# KiCad board pq-register.kicad_pcb (continued)
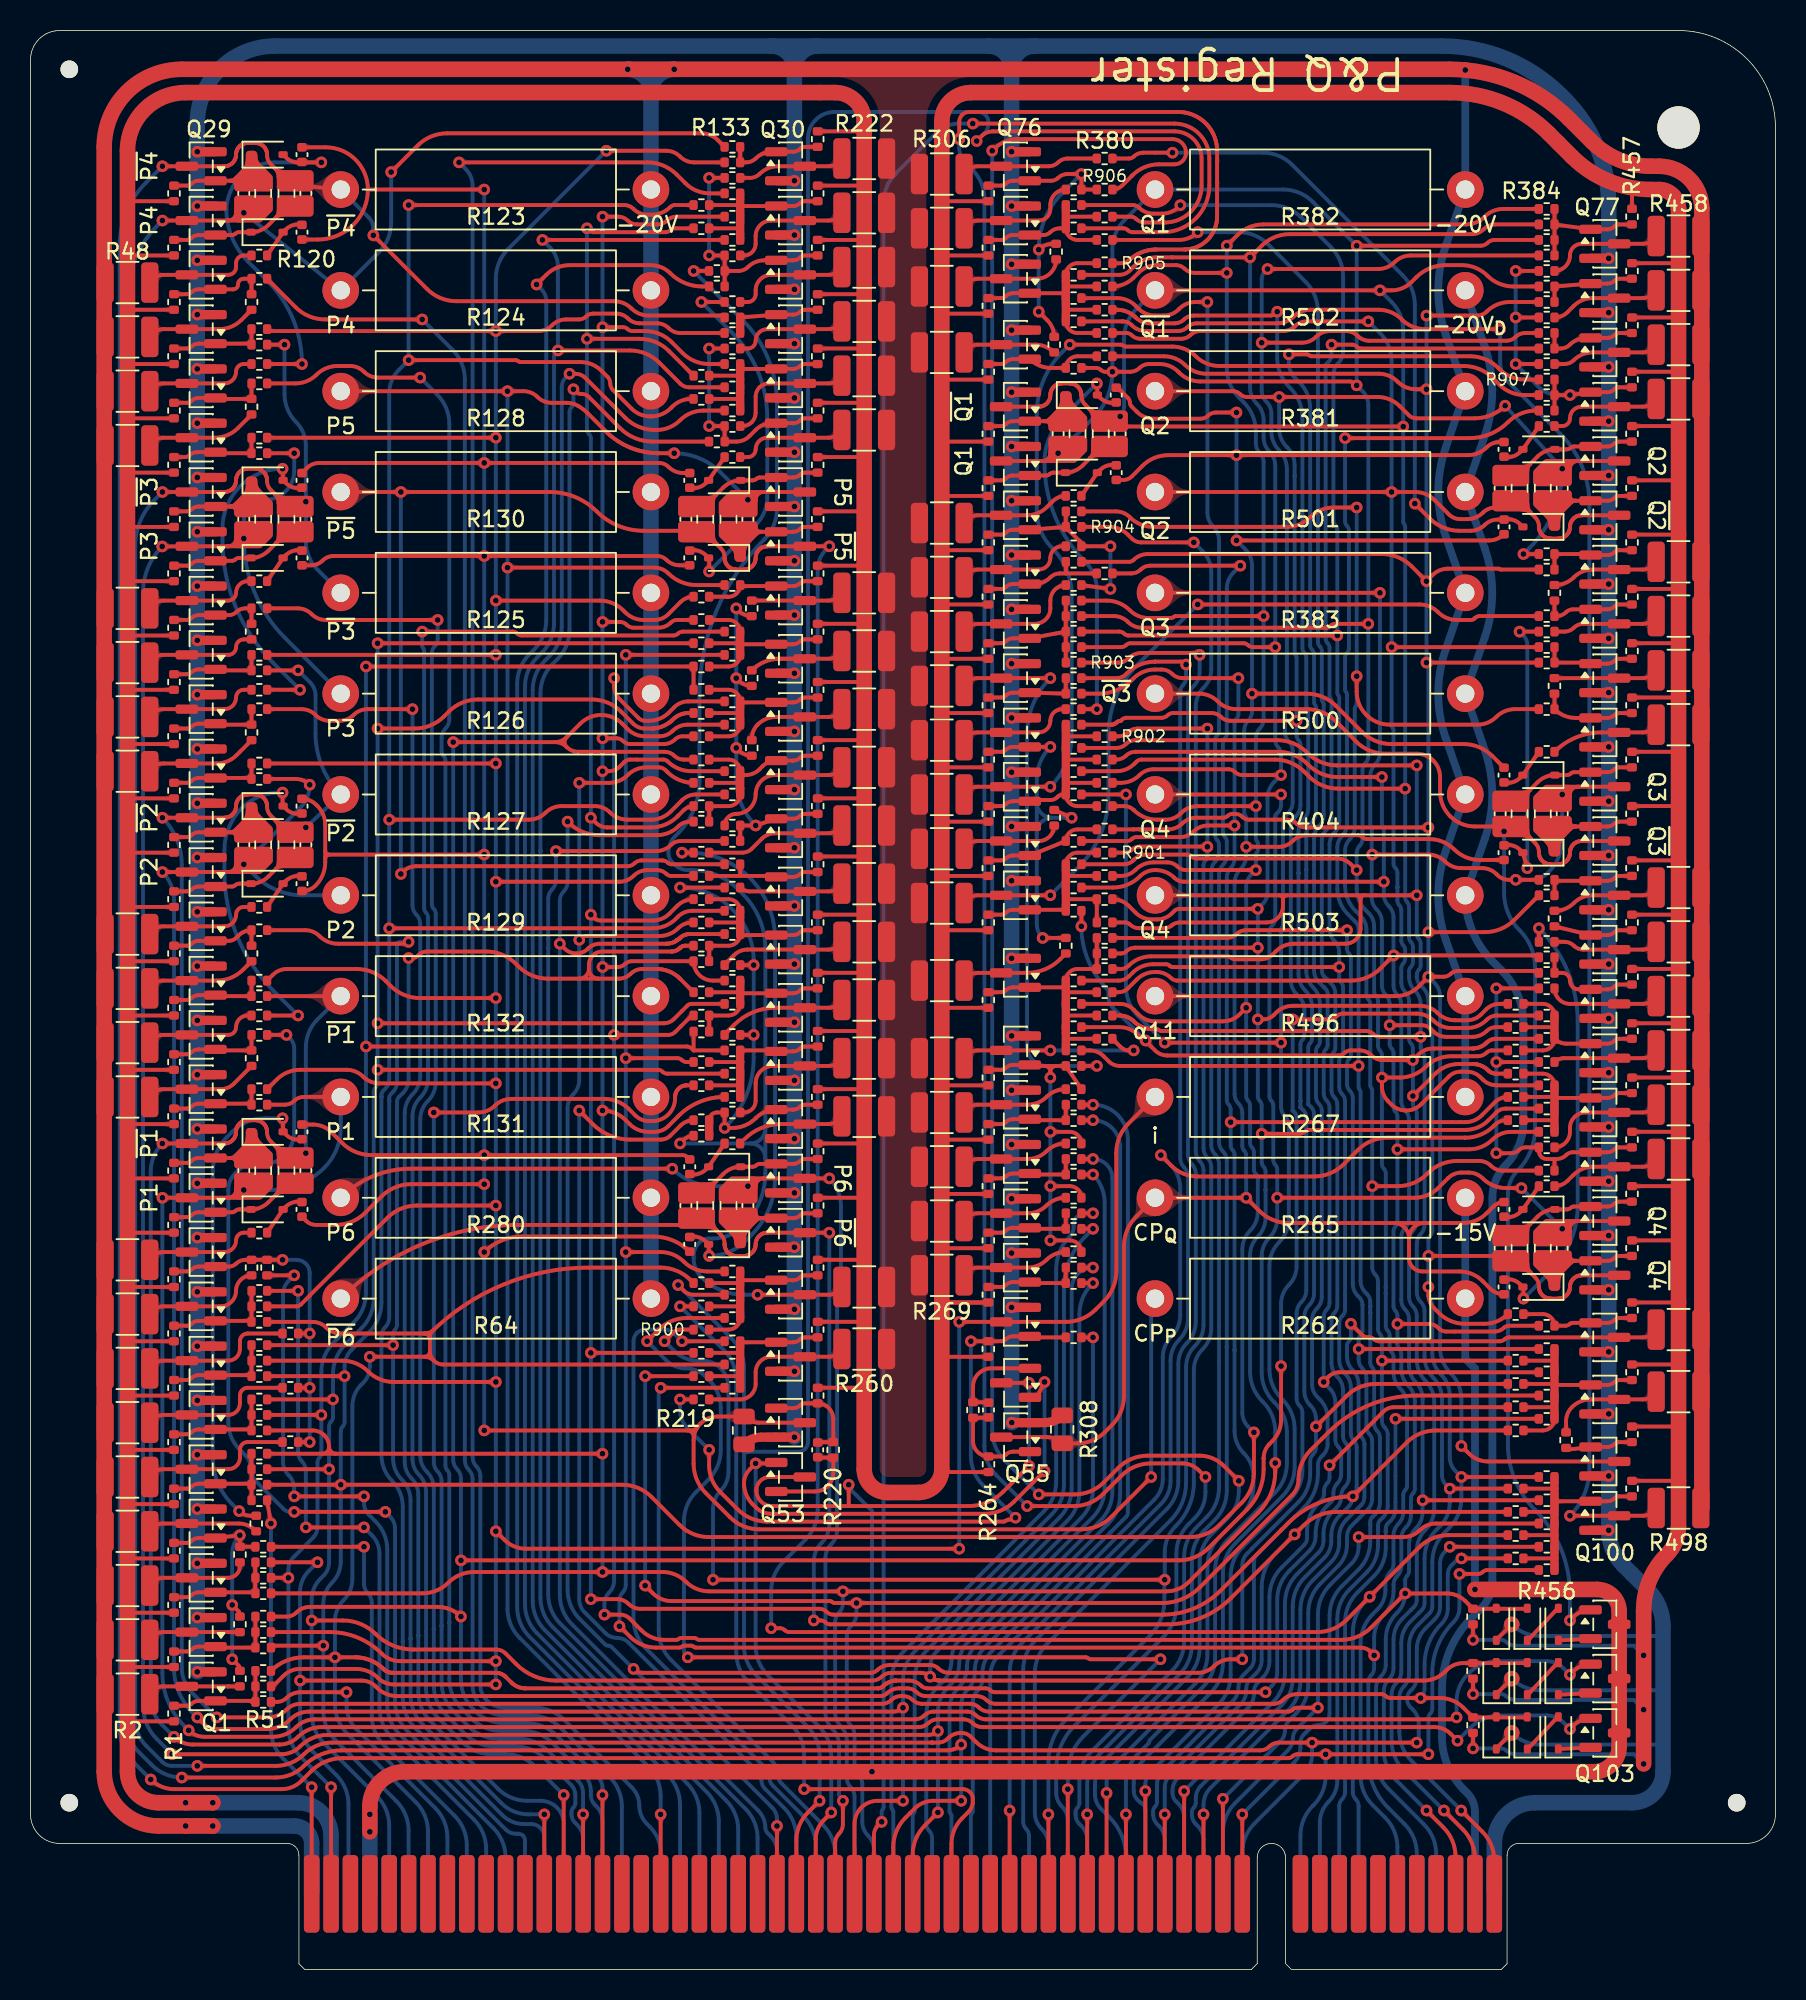
[diagram p0: board, top side]
## Routing (per net, layer and track width the routed paths; a pad name or vN(x,y) marks a point on that pad's centre or on a via; arc(x,y) is an arc through that point) (continued)
P5: length 150.6
  Top w0.254: v1(31.24,91.82) 40.86,91.82 arc(41.36,91.72) 41.78,91.44 arc(42.63,90.88) 43.62,90.68 R158.1 ; 47.12,96.77 48.07,96.77 48.01,96.77 ; 47.5,96.14 47.5,96.27 arc(47.65,96.63) 48.01,96.77 ; 48.01,96.77 Q36.3 ; R128.2 v1(31.24,103.38) 32.29,103.38 arc(32.79,103.28) 33.21,103 arc(33.63,102.72) 34.13,102.62 35.11,102.62 arc(35.5,102.57) 35.87,102.42 arc(36.2,102.19) 36.5,101.93 37.68,100.75 arc(37.75,100.68) 37.82,100.62 arc(37.89,100.55) 37.96,100.49 arc(38.04,100.43) 38.11,100.37 arc(38.19,100.31) 38.26,100.25 arc(38.34,100.2) 38.42,100.14 arc(38.5,100.09) 38.59,100.04 arc(38.67,99.99) 38.75,99.94 arc(38.84,99.89) 38.92,99.85 arc(39.01,99.81) 39.09,99.77 arc(39.18,99.73) 39.27,99.69 arc(39.36,99.65) 39.45,99.62 arc(39.54,99.59) 39.63,99.55 arc(39.72,99.53) 39.82,99.5 arc(39.91,99.47) 40,99.45 arc(40.1,99.43) 40.19,99.41 arc(40.29,99.39) 40.38,99.37 arc(40.48,99.36) 40.57,99.35 arc(40.67,99.34) 40.76,99.33 arc(40.86,99.32) 40.96,99.32 41,99.32 arc(41.05,99.31) 41.1,99.31 arc(41.15,99.31) 41.2,99.31 v1(42.16,99.31) ; v1(41.27,10.16) 41.27,4.95
  Bottom w0.254: v1(31.24,103.38) v1(31.24,91.82) 31.24,23.65 arc(31.45,22.6) 32.04,21.72 40.48,13.28 arc(41.07,12.4) 41.27,11.36 v1(41.27,10.16) ; v1(46.99,96.27) 45.2,98.06 arc(43.81,98.99) v1(42.16,99.31)
P5a: length 137.5
  Top w0.254: v1(33.53,113.28) R140.1 ; v1(34.54,106.04) 39.26,106.04 arc(40.3,105.84) 41.18,105.25 42.57,103.87 arc(42.82,103.69) 43.13,103.63 R150.1
  Bottom w0.254: 32.39,72.86 32.39,72.84 ; 32.39,72.86 32.38,72.86 ; 32.39,72.86 arc(32.39,72.86) 32.38,72.86 ; 32.39,72.84 32.38,72.84 ; 32.39,72.84 32.38,72.84 ; 32.39,72.84 arc(32.39,72.84) 32.38,72.84 ; 32.39,72.84 arc(32.39,72.84) 32.38,72.84 ; 32.38,72.84 32.38,23.94 arc(32.59,22.9) 33.18,22.02 43.02,12.18 arc(43.61,11.3) 43.81,10.26 43.81,4.95 ; 32.39,74.33 32.39,84.01 arc(32.59,85.05) 33.18,85.93 33.49,86.24 arc(34.08,87.12) 34.29,88.17 34.29,105.61 arc(34.32,105.78) 34.42,105.92 v1(34.54,106.04) 34.54,111.55 arc(34.41,112.21) 34.04,112.78 v1(33.53,113.28) ; 32.39,74.33 32.38,74.33 ; 32.39,74.33 32.38,74.33 ; 32.39,74.33 arc(32.39,74.33) 32.38,74.33 ; 32.39,74.33 arc(32.38,74.33) 32.38,74.33 ; 32.38,74.33 32.38,72.86
P6: length 81.5
  Top w0.254: 47.5,51.18 47.5,51.31 arc(47.65,51.67) 48.01,51.82 ; 48.01,51.82 Q48.3 v1(52.32,51.82) ; 48.01,51.82 48.07,51.82 47.12,51.82 ; 52.7,4.95 52.7,8.28 arc(52.77,8.61) 52.96,8.89 arc(53.15,9.17) 53.21,9.5 v1(53.21,11.05) ; v1(42.04,52.45) 24.92,52.45 arc(22.43,51.96) R280.2
  Bottom w0.254: v1(53.21,11.05) 53.09,11.18 arc(52.99,11.32) 52.96,11.48 52.96,14.69 arc(52.84,15.28) 52.51,15.77 arc(52.19,16.26) 52.07,16.84 52.07,26.94 arc(52.17,27.43) 52.45,27.86 arc(52.73,28.28) 52.83,28.78 52.83,43.51 arc(52.87,43.67) 52.96,43.81 arc(53.05,43.96) 53.09,44.12 53.09,49.98 arc(52.89,50.97) v1(52.32,51.82) ; v1(46.99,51.31) 44.8,51.31 arc(43.3,51.61) v1(42.04,52.45)
P6a: length 96.1
  Top w0.254: R188.1 43.18,67.82 arc(43.16,67.82) 43.14,67.82 arc(43.12,67.82) 43.09,67.82 43.07,67.81 arc(43.03,67.81) 42.99,67.8 arc(42.95,67.79) 42.91,67.78 arc(42.87,67.77) 42.83,67.75 arc(42.79,67.73) 42.75,67.72 arc(42.71,67.69) 42.68,67.67 arc(42.64,67.65) 42.61,67.62 42.59,67.61 arc(42.58,67.59) 42.56,67.58 arc(42.55,67.56) 42.53,67.55 42.53,67.55 arc(42.51,67.53) 42.49,67.51 42.47,67.5 arc(42.47,67.5) 42.46,67.5 arc(42.46,67.49) 42.46,67.49 42.46,67.49 arc(42.45,67.49) 42.45,67.49 arc(42.44,67.49) 42.44,67.48 42.44,67.48 arc(42.43,67.47) 42.43,67.47 42.42,67.46 arc(42.41,67.45) 42.39,67.45 42.39,67.45 arc(42.38,67.44) 42.37,67.44 arc(42.37,67.44) 42.36,67.44 arc(42.36,67.44) 42.35,67.43 arc(42.34,67.43) 42.34,67.42 42.34,67.42 arc(42.33,67.41) 42.33,67.41 42.32,67.4 arc(42.31,67.39) 42.3,67.39 42.26,67.37 arc(42.25,67.36) 42.24,67.35 arc(42.24,67.34) 42.23,67.33 42.21,67.32 arc(42.17,67.3) 42.13,67.29 42.12,67.28 arc(42.08,67.26) 42.03,67.25 arc(41.98,67.23) 41.93,67.22 arc(41.88,67.21) 41.83,67.2 arc(41.78,67.19) 41.73,67.19 41.7,67.19 arc(41.68,67.18) 41.65,67.18 arc(41.63,67.18) 41.6,67.18 37.28,67.18 arc(36.86,67.1) 36.51,66.87 36.51,66.86 arc(36.16,66.63) 35.75,66.55 arc(35.34,66.63) 34.99,66.86 v1(34.67,67.18) ; v1(35.18,75.18) 35.22,75.14 arc(36.16,74.51) 37.26,74.29 41.02,74.29 arc(41.79,74.45) 42.45,74.89 arc(42.78,75.11) 43.16,75.18 R178.1
  Bottom w0.254: v1(35.18,75.18) 35.18,71.23 arc(35.11,70.89) 34.92,70.61 arc(34.74,70.33) 34.67,70 v1(34.67,67.18) 34.67,24.53 arc(34.88,23.49) 35.47,22.6 47.66,10.41 arc(48.01,9.89) 48.13,9.27 arc(48.17,9.1) 48.27,8.95 48.47,8.75 arc(48.78,8.27) 48.89,7.72 48.89,4.95
Q1: length 239.7
  Top w0.254: 72.77,87.88 84.79,87.88 84.91,87.88 arc(85.02,87.91) 85.11,87.97 85.16,88.01 arc(85.3,88.1) 85.46,88.14 v1(87.63,88.14) ; R355.1 70.96,88.65 arc(71.46,88.55) 71.88,88.26 arc(72.3,87.98) 72.8,87.88 ; v1(86.87,103.76) 86.74,103.89 arc(86.6,103.98) 86.43,104.01 76.63,104.01 arc(75.88,104.16) 75.25,104.58 75.18,104.65 arc(74.62,105.03) 73.97,105.16 73.26,105.16 arc(72.93,105.09) 72.64,104.9 arc(72.36,104.71) 72.03,104.65 v1(70.87,104.65) 70.41,104.65 arc(70.24,104.68) 70.1,104.77 arc(69.96,104.87) 69.8,104.9 R365.1 ; 66.23,98.81 66.29,98.81 arc(66.65,98.95) 66.8,99.31 66.8,99.44 ; 66.23,98.81 Q71.3 ; 66.23,98.81 67.18,98.81 ; v1(86.87,72.01) 86.49,72.39 arc(86.06,72.67) 85.57,72.77 76.38,72.77 arc(76.21,72.8) 76.07,72.9 arc(75.93,72.99) 75.77,73.02 73.09,73.02 arc(72.65,72.94) 72.28,72.69 72.23,72.64 arc(71.96,72.45) 71.63,72.39 R339.1 ; R427.1 96.04,57.91 arc(95.55,58.01) 95.12,58.29 94.97,58.44 arc(94.58,58.71) 94.11,58.8 93.66,58.8 arc(93.25,58.72) 92.9,58.49 91.08,56.67 arc(90.63,56.37) 90.11,56.26 arc(89.58,56.37) 89.13,56.67 88.92,56.87 arc(88.62,57.32) 88.52,57.85 v1(88.52,58.42) 89.69,58.42 arc(90.6,58.6) 91.38,59.12 arc(92.15,59.64) 93.06,59.82 94.81,59.82 arc(95.12,59.88) 95.38,60.06 arc(95.54,60.16) 95.73,60.2 R424.1 ; v1(86.87,112.9) 94.98,112.9 arc(95.23,112.95) 95.44,113.09 arc(95.65,113.23) 95.9,113.28 R386.1
  Bottom w0.254: 89.54,4.95 89.54,8.02 arc(89.33,9.06) 88.74,9.94 87.92,10.76 arc(87.33,11.64) 87.12,12.68 87.12,21.35 arc(87.33,22.39) 87.92,23.28 88.23,23.58 arc(88.61,24.16) 88.75,24.84 88.75,25.26 arc(88.83,25.68) 89.07,26.04 arc(89.23,26.27) 89.28,26.54 89.28,28.42 arc(89.36,28.83) 89.6,29.18 arc(89.83,29.53) 89.92,29.95 89.92,31.08 arc(89.95,31.25) 90.04,31.39 arc(90.14,31.53) 90.17,31.69 90.17,36.97 arc(90.05,37.55) 89.73,38.04 arc(89.4,38.54) 89.28,39.12 89.28,40.13 arc(89.25,40.29) 89.15,40.43 arc(89.06,40.57) 89.03,40.74 89.03,41.53 arc(88.99,41.7) 88.9,41.84 arc(88.81,41.98) 88.77,42.15 88.77,52.14 arc(88.74,52.31) 88.65,52.45 arc(88.55,52.59) 88.52,52.76 v1(88.52,58.42) 88.52,59.89 arc(88.49,60.06) 88.39,60.2 arc(88.3,60.34) 88.27,60.5 88.27,63.45 arc(88.23,63.61) 88.14,63.75 arc(88.04,63.89) 88.01,64.06 88.01,68.33 arc(87.92,68.8) 87.65,69.19 87.44,69.41 arc(87.02,70.04) 86.87,70.79 v1(86.87,72.01) 86.87,73.14 arc(86.92,73.39) 87.06,73.6 arc(87.2,73.81) 87.25,74.06 87.25,78.55 arc(87.3,78.8) 87.44,79.01 arc(87.58,79.22) 87.63,79.47 v1(87.63,88.14) 87.63,102.46 arc(87.53,102.96) 87.25,103.38 v1(86.87,103.76) v1(86.87,112.9) 83.98,115.79 arc(83.1,116.38) 82.06,116.59 R382.2 71.66,114.59 arc(71.07,113.71) 70.87,112.67 v1(70.87,104.65) arc(70.54,103.01) 69.61,101.61 v1(67.31,99.31)
Q1b: length 93.8
  Top w0.254: R903.1 71.27,85.6 arc(71.6,85.66) 71.88,85.85 arc(72.3,86.13) 72.8,86.23 76.36,86.23 arc(76.45,86.22) 76.52,86.17 v1(76.58,86.11)
  Bottom w0.254: 65.4,4.95 65.4,8.75 arc(65.36,9) 65.21,9.21 arc(65.07,9.42) 65.02,9.67 65.02,19.63 arc(65.23,20.67) 65.82,21.55 74.42,30.15 arc(74.99,30.99) 75.18,31.99 75.18,39.66 arc(75.33,40.41) 75.76,41.04 arc(76.18,41.68) 76.33,42.42 76.33,52.13 arc(76.26,52.46) 76.07,52.74 arc(75.89,53.03) 75.82,53.36 75.82,83.15 arc(75.92,83.65) 76.2,84.07 arc(76.48,84.5) 76.58,84.99 v1(76.58,86.11)
Q2: length 158.9
  Top w0.254: v1(73.02,11.68) 73.02,4.95 ; R349.1 70.8,81.53 arc(70.81,81.53) 70.83,81.53 arc(70.84,81.53) 70.85,81.54 70.86,81.54 arc(70.89,81.54) 70.91,81.55 arc(70.93,81.55) 70.96,81.56 arc(70.98,81.57) 71,81.58 arc(71.02,81.59) 71.04,81.6 arc(71.06,81.61) 71.08,81.63 arc(71.1,81.64) 71.12,81.66 arc(71.14,81.68) 71.16,81.69 arc(71.18,81.71) 71.2,81.72 arc(71.22,81.73) 71.24,81.74 arc(71.26,81.75) 71.28,81.76 arc(71.31,81.77) 71.33,81.78 arc(71.35,81.78) 71.38,81.79 71.39,81.79 arc(71.4,81.79) 71.41,81.79 arc(71.43,81.79) 71.44,81.8 71.53,81.89 arc(71.63,81.96) 71.76,81.98 74.09,81.98 arc(74.3,82.03) 74.47,82.14 arc(74.64,82.26) 74.85,82.3 77.36,82.3 arc(77.7,82.23) 77.98,82.04 arc(78.26,81.85) 78.59,81.79 v1(82.93,81.79) ; v1(97.79,92.71) R400.1 ; Q81.3 101.41,98.81 ; 101.41,98.81 100.46,98.81 ; 101.41,98.81 101.35,98.81 arc(100.99,98.66) 100.84,98.3 100.84,98.17 ; R381.2 78.77,103.38 arc(79.02,103.33) 79.23,103.19 arc(79.44,103.05) 79.69,103 v1(81.79,103) 88.24,103 arc(89.02,102.84) 89.69,102.4 90.29,101.8 arc(90.51,101.65) 90.76,101.6 94.59,101.6 arc(95.67,101.82) v1(96.59,102.43)
  Bottom w0.254: v1(96.59,102.43) v1(100.33,98.3) arc(99.77,95.48) 98.17,93.09 v1(97.79,92.71) ; v1(73.02,11.68) 73.02,12.13 arc(73.11,12.54) 73.34,12.89 77.82,17.36 arc(78.41,18.25) 78.61,19.29 78.61,25.76 arc(78.82,26.81) 79.41,27.69 82.52,30.79 arc(83.1,31.68) 83.31,32.72 83.31,36.48 arc(83.26,36.73) 83.12,36.94 arc(82.98,37.15) 82.93,37.4 82.93,42.96 arc(83.01,43.37) 83.25,43.72 arc(83.48,44.07) 83.57,44.49 83.57,55.82 arc(83.52,56.07) 83.38,56.28 83.19,56.47 83.19,56.89 83.19,60.58 arc(83.22,60.75) 83.31,60.89 arc(83.41,61.03) 83.44,61.19 83.44,62.86 arc(83.35,63.33) 83.08,63.73 82.93,63.88 arc(82.65,64.3) 82.55,64.8 82.55,74.75 arc(82.63,75.16) 82.87,75.51 arc(83.1,75.86) 83.18,76.28 83.18,80.21 arc(83.15,80.38) 83.06,80.52 arc(82.96,80.66) 82.93,80.82 v1(82.93,81.79) 82.93,85.94 arc(82.91,86.02) 82.87,86.09 arc(82.82,86.16) 82.8,86.24 82.8,98.53 arc(82.68,99.15) 82.32,99.69 82.3,99.71 arc(81.92,100.28) 81.79,100.94 81.79,102.51 arc(81.81,102.63) 81.88,102.73 arc(81.92,102.82) 81.88,102.91 v1(81.79,103)
Q3: length 285.7
  Top w0.254: v1(38.99,46.99) 41.27,46.99 arc(42.1,46.82) 42.8,46.35 arc(43.5,45.89) 44.33,45.72 R209.1 ; R413.1 v1(97.28,71.37) 96.84,71.37 arc(96.43,71.46) 96.08,71.69 96.01,71.75 arc(95.59,72.04) 95.09,72.14 93.72,72.14 arc(93.14,72.25) 92.65,72.58 arc(92.15,72.91) 91.57,73.02 v1(87.88,73.02) ; Q87.3 101.41,77.47 ; 101.41,77.47 101.35,77.47 arc(100.99,77.32) 100.84,76.96 100.84,76.83 ; 101.41,77.47 100.46,77.47 ; v1(38.99,59.69) 42.37,59.69 arc(42.53,59.66) 42.67,59.56 arc(42.81,59.47) 42.98,59.44 R199.1 ; v1(89.03,61.85) 91.14,61.85 arc(91.46,61.79) 91.73,61.6 91.9,61.44 arc(92.29,61.18) 92.74,61.09 94.46,61.09 arc(94.95,61.19) 95.38,61.47 arc(95.66,61.66) 95.99,61.72 96.73,61.72 arc(96.75,61.71) 96.74,61.69 96.72,61.67 ; 38.58,22.73 v1(38.58,22.48) 38.58,22.48 arc(38.59,22.48) 38.6,22.47 39.29,21.78 arc(40.06,21.26) 40.98,21.08 42.52,21.08 arc(42.6,21.1) 42.67,21.15 arc(42.74,21.19) 42.83,21.21 43.28,21.21 arc(43.36,21.19) 43.43,21.15 arc(43.5,21.1) 43.59,21.08 87.14,21.08 arc(87.48,21.02) 87.76,20.83 v1(88.01,20.57) ; R431.1 96.98,54.86 arc(96.32,54.73) 95.76,54.36 arc(95.05,53.89) 94.22,53.72 v1(89.54,53.72) ; v1(89.54,42.28) 91.6,42.28 arc(91.93,42.22) 92.21,42.03 92.26,41.98 arc(92.48,41.83) 92.73,41.78 95.91,41.78 arc(96.24,41.85) 96.52,42.04 arc(96.66,42.13) 96.83,42.16 R438.1 ; v1(88.39,90.17) R383.2 ; v1(38.99,86.11) R164.1
  Bottom w0.254: 90.8,4.95 90.8,7.59 arc(90.6,8.63) 90.01,9.52 88.92,10.61 arc(87.96,12.03) 87.63,13.72 87.63,18.82 arc(87.68,19.07) 87.82,19.28 arc(87.96,19.49) 88.01,19.74 v1(88.01,20.57) 88.01,21.71 arc(88.18,22.54) 88.65,23.24 arc(89.12,23.95) 89.28,24.78 89.28,25.21 arc(89.34,25.5) 89.51,25.76 arc(89.72,26.07) 89.79,26.43 89.79,28.21 arc(89.87,28.62) 90.11,28.97 arc(90.34,29.32) 90.42,29.74 90.42,30.87 arc(90.46,31.04) 90.55,31.18 arc(90.64,31.32) 90.68,31.48 90.68,37.18 arc(90.56,37.76) 90.23,38.25 arc(89.9,38.75) 89.79,39.33 89.79,40.34 arc(89.76,40.5) 89.66,40.64 arc(89.57,40.78) 89.54,40.95 v1(89.54,42.28) 89.54,42.83 arc(89.5,43) 89.41,43.14 arc(89.31,43.28) 89.28,43.45 89.28,48.36 arc(89.31,48.53) 89.41,48.67 arc(89.5,48.81) 89.54,48.98 v1(89.54,53.72) 89.54,55.87 arc(89.5,56.04) 89.41,56.18 arc(89.31,56.32) 89.28,56.48 89.28,60.02 arc(89.25,60.18) 89.15,60.32 arc(89.06,60.47) 89.03,60.63 v1(89.03,61.85) 89.03,63.22 arc(88.96,63.56) 88.77,63.84 arc(88.59,64.12) 88.52,64.45 88.52,68.62 arc(88.43,69.05) 88.19,69.42 arc(87.94,69.79) 87.85,70.23 87.85,72.97 arc(87.86,72.99) 87.87,73.01 v1(87.88,73.02) 87.87,73.04 arc(87.86,73.06) 87.85,73.08 87.85,74.74 arc(87.84,74.8) 87.8,74.85 arc(87.77,74.9) 87.76,74.96 87.76,78.16 arc(87.84,78.58) 88.07,78.93 arc(88.31,79.28) 88.39,79.7 v1(88.39,90.17) ; v1(97.28,71.37) 98.21,71.37 arc(98.88,71.51) 99.44,71.88 arc(100.1,72.87) 100.33,74.03 v1(100.33,76.96) ; v1(38.58,22.48) 38.58,24.19 arc(38.63,24.46) 38.78,24.69 arc(38.94,24.91) 38.99,25.18 v1(38.99,46.99) v1(38.99,59.69) v1(38.99,86.11)
Q4: length 110.4
  Top w0.254: Q95.3 101.41,49.02 ; 101.41,49.02 101.35,49.02 arc(100.99,48.87) 100.84,48.51 100.84,48.39 ; 101.41,49.02 100.46,49.02 ; v1(97.66,51.18) 96.66,51.18 arc(95.83,51.35) 95.12,51.82 arc(94.7,52.1) 94.2,52.2 93.73,52.2 arc(93.26,52.1) 92.86,51.84 92.21,51.19 arc(91.5,50.71) 90.65,50.55 v1(81.66,50.55) ; v1(81.92,76.96) R404.2 ; v1(71.76,10.16) 71.76,4.95
  Bottom w0.254: v1(100.33,48.51) v1(97.66,51.18) ; v1(81.92,76.96) 81.92,76.27 arc(81.87,76.02) 81.72,75.81 81.6,75.68 arc(81.55,75.61) 81.53,75.53 81.53,75.44 81.53,68.85 arc(81.48,68.6) 81.34,68.39 arc(81.2,68.18) 81.15,67.93 81.15,57.2 arc(81.19,57.04) 81.28,56.9 arc(81.37,56.76) 81.41,56.59 81.41,53.01 arc(81.44,52.85) 81.53,52.7 arc(81.63,52.56) 81.66,52.4 v1(81.66,50.55) 81.66,49.17 arc(81.53,48.51) 81.15,47.94 arc(80.78,47.38) 80.64,46.72 80.64,39.1 arc(80.85,38.06) 81.44,37.18 81.5,37.12 arc(82.09,36.24) 82.3,35.2 82.3,33.14 arc(82.09,32.1) 81.5,31.21 78.39,28.11 arc(77.8,27.23) 77.6,26.18 77.6,20.43 arc(77.39,19.39) 76.8,18.51 73.32,15.03 arc(73.29,14.98) 73.28,14.92 arc(73.27,14.86) 73.23,14.81 72.52,14.1 arc(71.95,13.25) 71.76,12.26 v1(71.76,10.16)
R: length 123.8
  Top w0.254: v1(78.87,74.93) 77.12,74.93 arc(76.62,74.83) 76.2,74.55 arc(75.78,74.27) 75.28,74.17 72.44,74.17 arc(72.28,74.13) 72.14,74.04 arc(72,73.95) 71.83,73.91 R340.1 ; v1(78.61,55.5) 93.98,55.5 arc(94.57,55.62) 95.06,55.95 95.91,56.79 arc(96.3,57.06) R428.1 ; v1(79.12,84.58) 75.46,84.58 arc(75.09,84.66) 74.77,84.86 arc(74.46,85.07) 74.09,85.15 73.66,85.15 arc(72.89,84.99) 72.24,84.56 72.14,84.45 arc(71.15,83.8) 69.99,83.57 R351.1 ; v1(70.48,11.56) 70.48,4.95
  Bottom w0.254: v1(70.48,11.56) 70.48,12.23 arc(70.61,12.86) 70.96,13.39 76.29,18.72 arc(76.88,19.6) 77.09,20.64 77.09,26.4 arc(77.3,27.44) 77.89,28.32 79.31,29.74 arc(79.9,30.62) 80.1,31.66 80.1,32.31 arc(79.94,33.11) 79.48,33.8 arc(79.03,34.48) 78.87,35.29 78.87,53.36 arc(78.83,53.53) 78.74,53.67 arc(78.65,53.81) 78.61,53.98 v1(78.61,55.5) 78.61,56.34 arc(78.58,56.5) 78.49,56.64 arc(78.39,56.78) 78.36,56.95 78.36,71.53 arc(78.43,71.86) 78.61,72.14 arc(78.8,72.42) 78.87,72.75 v1(78.87,74.93) 78.87,81.61 arc(78.9,81.77) 78.99,81.92 arc(79.09,82.06) 79.12,82.22 v1(79.12,84.58)
rl: length 20.9
  Top w0.254: R51.1 16.15,17.53 arc(16.48,17.59) 16.76,17.78 arc(17.19,18.06) 17.68,18.16 v1(20.7,18.16)
  Bottom w0.254: v1(20.7,18.16) 20.7,17.27 arc(20.86,16.45) 21.33,15.75 26.51,10.58 arc(27.1,9.69) 27.3,8.65 27.3,4.95
S2: length 47.5
  Top w0.254: v1(42.67,41.15) R214.1
  Bottom w0.254: 51.44,4.95 51.44,8.1 arc(51.23,9.14) 50.64,10.02 48.63,12.04 arc(48.45,12.3) 48.39,12.61 arc(48.32,12.93) 48.15,13.19 40.29,21.05 arc(39.7,21.93) 39.5,22.97 39.5,41.15 arc(39.56,41.44) 39.72,41.69 arc(39.97,41.85) 40.26,41.91 41.55,41.91 arc(41.88,41.84) 42.16,41.66 v1(42.67,41.15)
S3: length 101.5
  Top w0.254: v1(40.26,25.15) 40.77,24.64 arc(41.33,24.26) 41.99,24.13 52.36,24.13 arc(52.44,24.11) 52.51,24.07 arc(52.58,24.02) 52.67,24 v1(54.1,24) 74.13,24 arc(75.46,24.27) 76.58,25.02 82.63,31.06 arc(82.95,31.54) 83.06,32.11 arc(83.26,33.14) 83.85,34.01 85.02,35.19 arc(87.69,36.97) 90.83,37.59 R443.1 ; v1(40.26,38.86) R217.1
  Bottom w0.254: v1(40.26,38.86) v1(40.26,25.15) ; v1(54.1,24) 54.1,23.31 arc(54.02,22.89) 53.78,22.54 arc(53.55,22.19) 53.47,21.78 53.47,16.61 arc(53.53,16.28) 53.72,16 arc(53.91,15.72) 53.98,15.39 53.98,13.38 arc(54.04,13.05) 54.23,12.77 arc(54.42,12.48) 54.48,12.15 54.48,9.68 arc(54.58,9.19) 54.86,8.76 arc(55.15,8.34) 55.24,7.84 55.24,4.95
T3: length 456.3
  Top w0.254: 20,33.78 19.11,33.78 ; 20,33.78 v1(37.47,33.78) ; 20,33.78 arc(19.69,33.91) 19.56,34.23 ; 19.11,33.78 R69.1 ; 19.11,33.78 arc(19.43,33.91) 19.56,34.23 ; v1(37.47,88.26) 38.59,88.26 arc(38.84,88.22) 39.05,88.07 arc(39.26,87.93) 39.51,87.88 41.12,87.88 arc(41.57,87.97) 41.95,88.23 arc(42.13,88.35) 42.35,88.39 R161.1 ; R171.1 42.71,80.77 arc(42.44,80.72) 42.21,80.57 arc(41.88,80.34) 41.48,80.26 39.28,80.26 arc(39.04,80.31) 38.82,80.45 arc(38.61,80.6) 38.36,80.64 v1(37.47,80.64) ; v1(80.65,54.74) 83.13,54.74 arc(83.3,54.77) 83.44,54.86 arc(83.58,54.96) 83.75,54.99 93.98,54.99 arc(94.8,55.15) 95.5,55.62 96.01,56.13 arc(96.29,56.32) 96.63,56.39 R429.1 ; v1(80.39,69.47) 75.24,69.47 arc(75.07,69.44) 74.93,69.34 74.77,69.19 arc(74.32,68.88) 73.79,68.78 73.45,68.78 arc(72.88,68.89) 72.39,69.21 71.95,69.66 arc(71.45,69.99) R336.1 ; R353.1 71.45,86.61 arc(71.61,86.65) 71.76,86.74 arc(71.9,86.83) 72.06,86.87 79.45,86.87 arc(79.62,86.84) 79.76,86.74 arc(79.9,86.65) 80.06,86.61 v1(81.53,86.61) ; 81.53,32.62 v1(81.53,33.17) 81.53,32.53 arc(81.23,31.12) 80.42,29.92 75.87,25.37 arc(75.19,24.92) 74.4,24.76 44.46,24.76 arc(43.63,24.93) 42.93,25.4 arc(42.22,25.87) 41.39,26.03 v1(37.47,26.03) 29.05,26.03 arc(28.14,25.85) 27.37,25.34 arc(26.59,24.82) 25.68,24.64 R59.1 ; v1(80.39,66.93) 72.37,66.93 arc(72.04,66.86) 71.76,66.67 arc(71.61,66.58) 71.45,66.55 R331.1 ; v1(80.39,62.23) 80.77,62.23 arc(81.12,62.3) 81.42,62.5 81.6,62.67 arc(82.09,63) 82.67,63.12 91.03,63.12 arc(91.64,63) 92.17,62.65 arc(92.69,62.3) 93.31,62.17 94.11,62.17 arc(94.59,62.27) 95.01,62.55 95.35,62.89 arc(95.75,63.15) 96.21,63.25 R420.1 ; v1(37.47,114.81) 38.5,114.81 arc(38.83,114.74) 39.12,114.55 arc(39.4,114.37) 39.73,114.3 41.07,114.3 arc(41.41,114.37) 41.69,114.55 arc(41.97,114.74) 42.3,114.81 R138.1 ; v1(81.92,78.23) 79.38,78.23 arc(79.12,78.28) 78.89,78.44 arc(78.7,78.57) 78.46,78.61 73.56,78.61 arc(73.07,78.51) 72.64,78.23 arc(72.08,77.86) 71.42,77.72 R345.1 ; R71.1 18.47,35.31 arc(18.89,35.22) 19.24,34.99 19.24,34.99 arc(19.48,34.64) 19.56,34.23 ; R148.1 44.45,105.16 arc(43.51,105.34) 42.72,105.87 41.99,106.6 arc(41.2,107.13) 40.26,107.31 39.42,107.31 arc(39.26,107.35) 39.12,107.44 arc(38.98,107.54) 38.81,107.57 v1(37.47,107.57) ; v1(37.47,78.49) 37.88,78.49 arc(38.26,78.56) 38.58,78.78 38.9,79.09 arc(39.07,79.21) 39.28,79.25 41.46,79.25 arc(41.6,79.22) 41.72,79.14 arc(42.44,78.66) 43.3,78.49 R174.1 ; R202.1 45.45,57.15 arc(43.82,56.83) 42.44,55.9 41.78,55.24 arc(41.36,54.96) 40.86,54.86 40.47,54.86 arc(39.81,55) 39.24,55.37 38.98,55.63 arc(38.29,56.1) v1(37.47,56.26) ; R385.1 95.95,114.3 arc(95.54,114.22) 95.19,113.98 arc(94.83,113.75) 94.42,113.66 82.48,113.66 arc(81.49,113.47) 80.64,112.9 v1(79.88,112.14) 74.8,112.14 arc(74.8,112.14) 74.79,112.14 arc(74.79,112.15) 74.79,112.15 73.79,112.15 arc(72.94,111.98) 72.22,111.5 71.99,111.27 arc(71.69,111.07) 71.34,111 R373.1 ; v1(37.47,65.66) 38.47,65.66 arc(38.71,65.71) 38.93,65.85 arc(39.14,65.99) 39.39,66.04 R190.1 arc(43.8,65.14) 44.7,64.77 R192.1
  Bottom w0.254: 80.9,51.07 80.9,51.07 ; 80.9,51.07 80.9,51.07 ; 80.9,51.07 80.9,49.23 arc(80.77,48.57) 80.39,48.01 arc(80.02,47.44) 79.88,46.78 79.88,39.15 arc(80.09,38.11) 80.68,37.22 80.74,37.17 arc(81.33,36.28) 81.53,35.24 v1(81.53,33.17) ; 80.9,51.07 arc(80.9,51.07) 80.9,51.07 ; 80.9,51.07 arc(80.9,51.07) 80.9,51.07 ; 80.9,51.07 80.9,52.27 arc(80.87,52.44) 80.77,52.58 arc(80.68,52.72) 80.65,52.88 v1(80.65,54.74) 80.65,56.59 arc(80.61,56.76) 80.52,56.9 arc(80.42,57.04) 80.39,57.2 v1(80.39,62.23) v1(80.39,66.93) v1(80.39,69.47) 80.71,69.79 arc(80.94,70.14) 81.03,70.55 81.03,76.71 arc(81.14,77.3) 81.47,77.79 v1(81.92,78.23) 81.92,79.6 arc(81.87,79.84) 81.72,80.06 arc(81.58,80.27) 81.53,80.52 v1(81.53,86.61) 81.53,98.5 arc(81.43,99) 81.15,99.42 arc(80.87,99.84) 80.77,100.34 80.77,101.48 arc(80.66,102.06) 80.33,102.55 arc(80,103.04) 79.88,103.63 v1(79.88,112.14) ; v1(37.47,26.03) v1(37.47,33.78) v1(37.47,56.26) v1(37.47,65.66) v1(37.47,88.26) v1(37.47,107.57) v1(37.47,114.81) ; 53.98,4.95 53.98,11.32 arc(53.91,11.66) 53.72,11.94 arc(53.53,12.22) 53.47,12.55 53.47,15 arc(53.37,15.49) 53.09,15.91 arc(52.8,16.34) 52.7,16.83 52.7,22.75 arc(52.77,23.09) 52.96,23.37 arc(53.15,23.65) 53.21,23.98 v1(53.21,24.76)
Tc: length 78
  Top w0.254: v1(74.04,53.34) 74.74,52.64 arc(75.51,52.12) 76.43,51.94 84.09,51.94 arc(85.13,52.15) 86.01,52.74 86.96,53.69 arc(87.84,54.28) 88.88,54.48 93.97,54.48 arc(93.97,54.48) 93.98,54.48 93.98,54.48 arc(94.99,54.68) 95.85,55.25 95.93,55.33 arc(96.25,55.55) 96.64,55.63 R430.1
  Bottom w0.254: 62.86,4.95 62.86,17.55 62.87,19.2 arc(63.02,19.97) 63.45,20.61 73.6,30.77 arc(74.02,31.39) 74.17,32.13 74.17,40.09 arc(74.32,40.83) 74.74,41.47 arc(75.16,42.1) 75.31,42.85 75.31,51.17 arc(75.15,52) 74.68,52.7 v1(74.04,53.34)
V: length 138.5
  Top w0.254: R136.1 44.51,116.33 arc(43.63,116.51) 42.89,117 42.33,117.57 arc(41.44,118.16) 40.4,118.36 v1(28.07,118.36)
  Bottom w0.254: v1(28.07,118.36) 28.51,117.92 arc(28.84,117.43) 28.96,116.85 28.96,33.56 arc(29.02,33.22) 29.21,32.94 arc(29.4,32.66) 29.46,32.33 29.46,18.63 arc(29.57,18.09) 29.88,17.64 arc(30.42,17.27) 31.06,17.14 33.04,17.14 arc(34.08,16.94) 34.96,16.35 39.38,11.92 arc(39.75,11.38) 39.88,10.73 arc(40.01,10.09) 40.37,9.54 40.58,9.33 arc(41.09,8.56) 41.27,7.65 41.27,4.95
~{A*}: length 75.9
  Top w0.254: v1(36.19,10.16) 36.19,4.95 ; v1(26.42,56.13) 29.34,56.13 arc(29.92,56.25) 30.42,56.58 arc(30.91,56.91) 31.49,57.02 37.59,57.02 arc(38.46,56.85) 39.2,56.36 39.61,55.94 arc(40.03,55.67) 40.51,55.57 40.73,55.57 arc(41.3,55.68) 41.78,56.01 arc(42.11,56.49) 42.22,57.06 42.22,57.13 arc(42.22,57.15) 42.22,57.17 arc(42.22,57.19) 42.22,57.2 42.22,57.22 arc(42.23,57.26) 42.23,57.29 arc(42.24,57.32) 42.25,57.36 arc(42.26,57.39) 42.27,57.43 arc(42.29,57.46) 42.3,57.49 arc(42.32,57.52) 42.34,57.55 arc(42.35,57.58) 42.38,57.61 arc(42.4,57.64) 42.42,57.66 arc(42.44,57.69) 42.47,57.71 arc(42.5,57.74) 42.52,57.76 arc(42.55,57.78) 42.58,57.8 arc(42.61,57.82) 42.64,57.83 arc(42.68,57.85) 42.71,57.86 arc(42.74,57.87) 42.77,57.88 arc(42.81,57.89) 42.84,57.9 arc(42.88,57.9) 42.91,57.91 42.93,57.91 arc(42.95,57.91) 42.97,57.91 arc(42.98,57.91) 43,57.91 R201.1
  Bottom w0.254: v1(36.19,10.16) 36.19,11.55 arc(36.11,11.99) 35.86,12.36 35.85,12.36 33.9,14.32 arc(33.02,14.91) 31.98,15.11 30.62,15.11 arc(29.58,15.32) 28.7,15.91 27.72,16.89 arc(27.13,17.77) 26.92,18.81 26.92,22.52 26.92,32 arc(26.86,32.33) 26.67,32.61 arc(26.48,32.89) 26.42,33.22 v1(26.42,56.13)
~{A}: length 104.5
  Top w0.254: R189.1 42.91,67.06 arc(42.89,67.06) 42.88,67.06 arc(42.87,67.06) 42.85,67.05 42.84,67.05 arc(42.81,67.05) 42.79,67.04 arc(42.76,67.04) 42.73,67.03 arc(42.71,67.02) 42.68,67.01 arc(42.66,67) 42.64,66.98 arc(42.61,66.97) 42.59,66.95 42.58,66.94 arc(42.57,66.93) 42.56,66.92 42.54,66.9 arc(42.53,66.89) 42.51,66.88 42.5,66.87 arc(42.47,66.84) 42.44,66.82 arc(42.41,66.8) 42.38,66.78 arc(42.35,66.77) 42.32,66.75 arc(42.29,66.74) 42.25,66.72 arc(42.22,66.71) 42.18,66.7 arc(42.15,66.69) 42.12,66.69 arc(42.08,66.68) 42.04,66.68 42.03,66.68 arc(42.01,66.68) 41.99,66.68 arc(41.97,66.68) 41.96,66.67 37.44,66.67 arc(37.11,66.61) 36.83,66.42 arc(36.64,66.14) 36.58,65.81 36.58,65.53 ; 37.21,64.9 38.54,64.9 arc(38.95,64.98) 39.31,65.21 arc(39.66,65.45) 40.07,65.53 41.02,65.53 arc(41.02,65.53) 41.02,65.53 41.05,65.53 arc(41.09,65.53) 41.12,65.53 41.15,65.53 arc(41.21,65.52) 41.28,65.52 arc(41.34,65.51) 41.41,65.5 arc(41.47,65.48) 41.53,65.47 arc(41.6,65.45) 41.66,65.43 arc(41.72,65.41) 41.78,65.39 arc(41.84,65.37) 41.9,65.34 arc(41.96,65.32) 42.02,65.29 arc(42.07,65.26) 42.13,65.22 arc(42.18,65.19) 42.24,65.15 arc(42.29,65.12) 42.34,65.08 arc(42.39,65.04) 42.44,64.99 42.46,64.97 arc(42.49,64.95) 42.51,64.93 arc(42.54,64.9) 42.56,64.88 R193.1 ; 37.21,64.9 35.94,64.9 ; 37.21,64.9 arc(36.76,65.08) 36.58,65.53 ; 35.94,64.9 33.89,64.9 arc(32.85,65.1) 31.97,65.69 31.78,65.88 arc(30.9,66.47) 29.86,66.67 25.96,66.67 arc(25.68,66.62) 25.44,66.46 25.39,66.41 arc(25.21,66.29) 25,66.25 v1(24.77,66.25) ; 35.94,64.9 arc(36.39,65.08) 36.58,65.53 ; v1(23.75,40.89) R77.1 ; v1(33.66,10.16) 33.66,4.95
  Bottom w0.254: v1(24.77,66.25) 24.77,58.32 arc(24.67,57.82) 24.38,57.4 24.14,57.15 arc(24.04,57) 24,56.83 24,56.64 24,42.22 arc(23.97,42.05) 23.88,41.91 arc(23.78,41.77) 23.75,41.6 v1(23.75,40.89) 23.75,33.47 arc(23.9,32.72) 24.32,32.09 arc(24.74,31.45) 24.89,30.71 24.89,21.67 24.89,17.97 arc(25.1,16.93) 25.69,16.05 30.84,10.9 arc(31.65,10.35) 32.62,10.16 v1(33.66,10.16)
~{bq}: length 146.1
  Top w0.254: R433.1 96.43,52.32 arc(96.02,52.41) 95.66,52.64 arc(95.31,52.88) 94.9,52.96 93.46,52.96 arc(92.41,52.75) 91.53,52.16 91.47,52.1 arc(90.59,51.52) 89.55,51.31 v1(87.88,51.31) ; v1(88.52,39.88) R440.1 ; v1(86.87,84.71) 86.87,83.7 arc(87.03,82.87) 87.5,82.17 arc(88.21,81.7) 89.04,81.53 94.79,81.53 arc(95.45,81.67) 96.01,82.04 arc(96.57,82.42) 97.24,82.55 R409.1 ; R361.1 71.09,95.5 arc(71.59,95.4) 72.01,95.12 arc(72.71,94.65) 73.54,94.49 ; 73.53,94.49 82.29,94.49 arc(83.12,94.65) 83.82,95.12 arc(84.52,95.59) 85.35,95.76 v1(86.87,95.76)
  Bottom w0.254: 88.27,44.49 88.26,44.49 ; 88.27,44.49 88.27,45.07 arc(88.22,45.32) 88.07,45.53 arc(87.93,45.74) 87.88,45.99 v1(87.88,51.31) 87.88,57.6 arc(87.87,57.68) 87.82,57.75 arc(87.77,57.82) 87.76,57.91 87.76,63.24 arc(87.72,63.4) 87.63,63.54 arc(87.54,63.68) 87.5,63.85 87.5,68.13 arc(87.41,68.59) 87.15,68.97 86.8,69.32 arc(86.29,70.1) 86.11,71.01 86.11,73.27 arc(86.19,73.69) 86.42,74.04 arc(86.66,74.39) 86.74,74.81 86.74,82.59 arc(86.76,82.67) 86.8,82.74 arc(86.85,82.81) 86.87,82.89 v1(86.87,84.71) v1(86.87,95.76) ; 88.27,44.49 arc(88.26,44.49) 88.26,44.49 ; 88.27,44.49 arc(88.26,44.49) 88.26,44.49 ; 88.26,44.49 88.26,44.07 ; 88.27,28.83 88.27,29.1 arc(88.3,29.27) 88.4,29.42 88.58,29.6 arc(88.82,29.96) 88.9,30.37 88.9,35.04 arc(88.85,35.29) 88.71,35.5 arc(88.57,35.71) 88.52,35.96 v1(88.52,39.88) 88.52,41.32 arc(88.49,41.49) 88.39,41.63 arc(88.3,41.77) 88.27,41.94 88.27,44.07 ; 88.27,28.83 88.27,28.83 ; 88.27,28.83 88.27,28.83 ; 88.27,28.83 arc(88.27,28.83) 88.27,28.83 ; 88.27,28.83 arc(88.27,28.83) 88.27,28.83 ; 88.27,28.83 88.27,27.79 arc(88.07,26.83) 87.53,26.02 86.39,24.88 arc(85.81,24) 85.6,22.96 85.6,12.37 arc(85.45,11.62) 85.03,10.99 arc(84.6,10.35) 84.45,9.61 84.45,4.95 ; 88.27,44.07 88.26,44.07 ; 88.27,44.07 88.26,44.07 ; 88.27,44.07 arc(88.26,44.07) 88.26,44.07 ; 88.27,44.07 arc(88.26,44.07) 88.26,44.07